# Altium PCB AIWAC_A33_RGB5寸LCD驱动板_20190109.PcbDoc (part 12 of 14)
Units mm, origin at the board's own origin, x right, y up, seen from the top; angles counter-clockwise.
Board outline 96.45 x 44.9 mm, 2 copper layers (Top Layer, Bottom Layer); 32 components, 42 nets, 22766 pads, 749 vias.
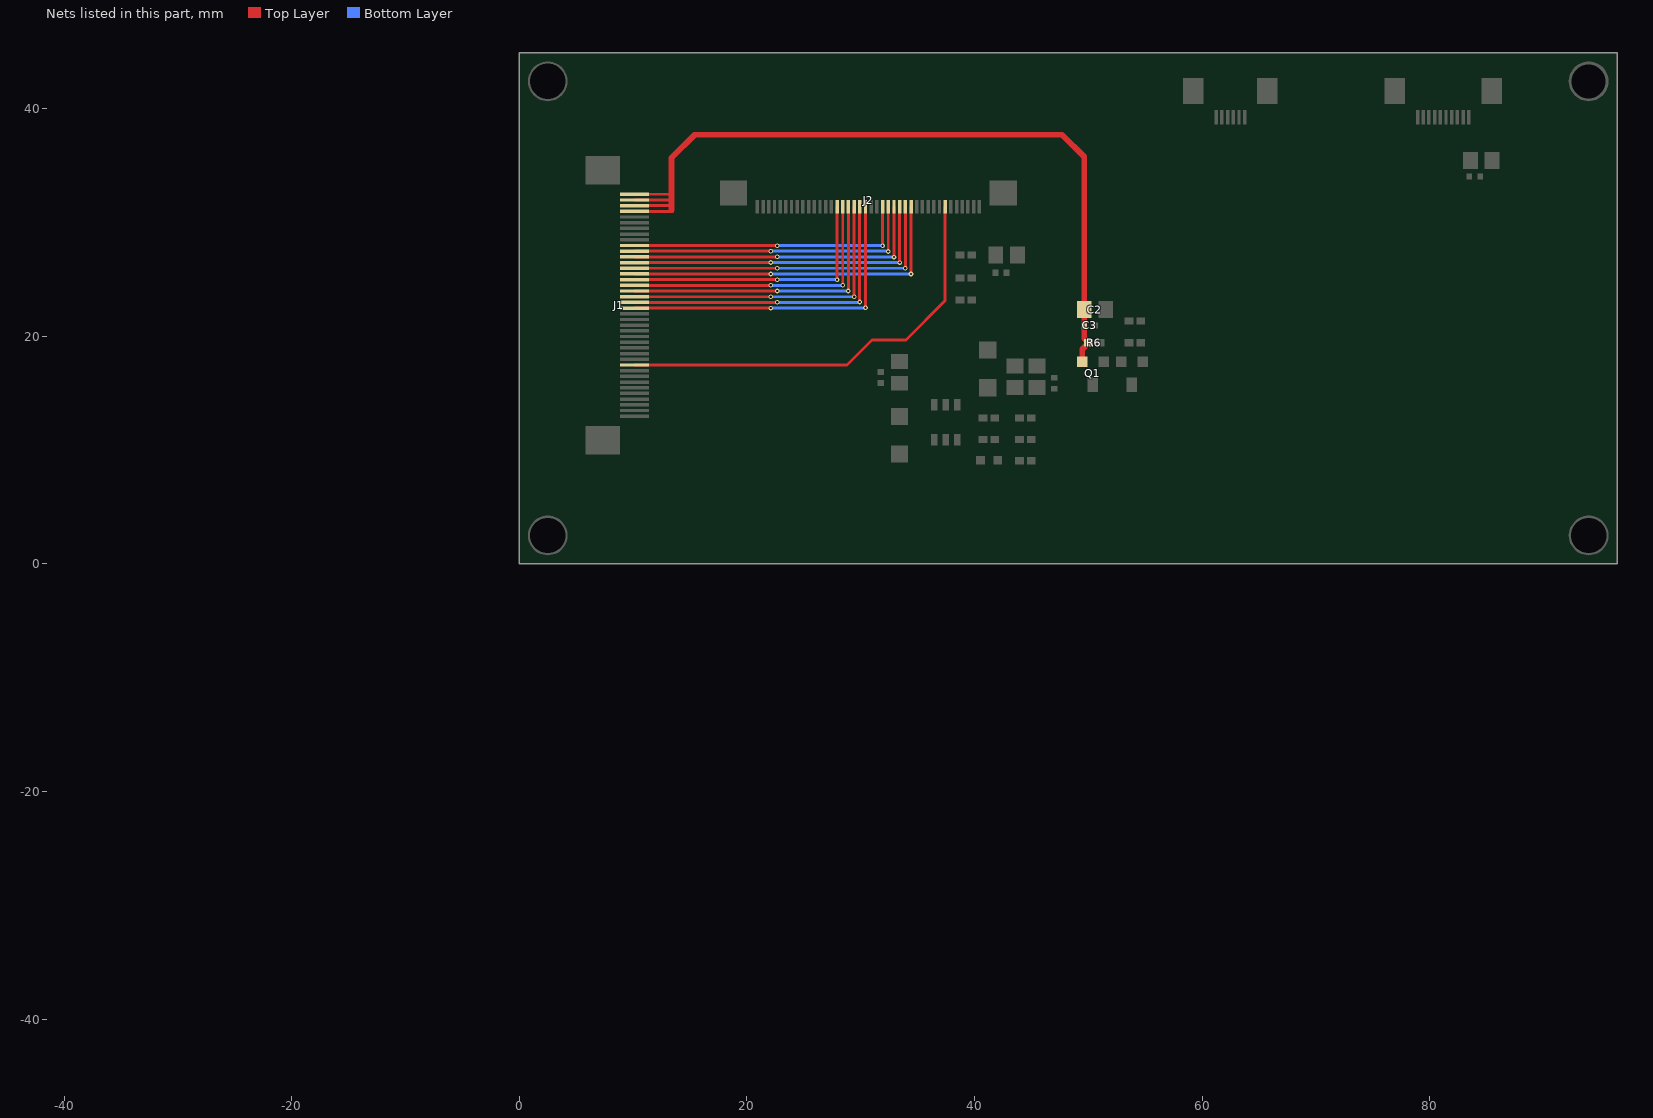
[diagram p12: the nets of this part, all layers, seen from the top]

## Free pads (board coordinates) (continued)
  round 0.001 on Mech2: 1(-39.049,-44.11) 1(-39.049,-44.11) 1(-39.049,-44.11) 1(-39.049,-44.108) 1(-39.049,-44.108) 1(-39.049,-44.108) 1(-39.049,-44.108) 1(-39.049,-44.108) 1(-39.049,-44.108) 1(-39.049,-44.106) 1(-39.049,-44.106) 1(-39.049,-44.106) 1(-39.049,-44.106) 1(-39.049,-44.106) 1(-39.049,-44.106) 1(-39.049,-44.104) 1(-39.049,-44.104) 1(-39.049,-44.104) 1(-39.048,-44.132) 1(-39.048,-44.132) 1(-39.048,-44.132) 1(-39.048,-44.126) 1(-39.048,-44.126) 1(-39.048,-44.126) 1(-39.046,-44.141) 1(-39.046,-44.141) 1(-39.046,-44.141) 1(-39.046,-44.139) 1(-39.046,-44.139) 1(-39.046,-44.139) 1(-39.046,-44.139) 1(-39.046,-44.139) 1(-39.046,-44.139) 1(-39.046,-44.139) 1(-39.046,-44.139) 1(-39.046,-44.139) 1(-39.045,-44.102) 1(-39.045,-44.102) 1(-39.045,-44.102) 1(-39.044,-44.111) 1(-39.044,-44.111) 1(-39.044,-44.111) 1(-39.044,-44.102) 1(-39.044,-44.102) 1(-39.044,-44.102) 1(-39.044,-44.122) 1(-39.044,-44.122) 1(-39.044,-44.122) 1(-39.044,-44.119) 1(-39.044,-44.119) 1(-39.044,-44.119) 1(-39.044,-44.116) 1(-39.044,-44.116) 1(-39.044,-44.116) 1(-39.044,-44.114) 1(-39.044,-44.114) 1(-39.044,-44.114) 1(-39.044,-44.111) 1(-39.044,-44.111) 1(-39.044,-44.111) 1(-39.044,-44.111) 1(-39.044,-44.111) 1(-39.044,-44.111) 1(-39.043,-44.112) 1(-39.043,-44.112) 1(-39.043,-44.112) 1(-39.043,-44.097) 1(-39.043,-44.097) 1(-39.043,-44.097) 1(-39.043,-44.102) 1(-39.043,-44.102) 1(-39.043,-44.102) 1(-39.043,-44.111) 1(-39.043,-44.111) 1(-39.043,-44.111) 1(-39.042,-44.124) 1(-39.042,-44.124) 1(-39.042,-44.124) 1(-39.042,-44.124) 1(-39.042,-44.124) 1(-39.042,-44.124) 1(-39.042,-44.124) 1(-39.042,-44.124) 1(-39.042,-44.124) 1(-39.042,-44.102) 1(-39.042,-44.102) 1(-39.042,-44.102) 1(-39.042,-44.102) 1(-39.042,-44.102) 1(-39.042,-44.102) 1(-39.042,-44.095) 1(-39.042,-44.095) 1(-39.042,-44.095) 1(-39.042,-44.096) 1(-39.042,-44.096) 1(-39.042,-44.096) 1(-39.042,-44.096) 1(-39.042,-44.096) 1(-39.042,-44.096) 1(-39.042,-44.101) 1(-39.042,-44.101) 1(-39.042,-44.101) 1(-39.042,-44.101) 1(-39.042,-44.101) 1(-39.042,-44.101) 1(-39.042,-44.125) 1(-39.042,-44.125) 1(-39.042,-44.125) 1(-39.041,-44.14) 1(-39.041,-44.14) 1(-39.041,-44.14) 1(-39.041,-44.097) 1(-39.041,-44.097) 1(-39.041,-44.097) 1(-39.041,-44.097) 1(-39.041,-44.097) 1(-39.041,-44.097) 1(-39.041,-44.133) 1(-39.041,-44.133) 1(-39.041,-44.133) 1(-39.041,-44.132) 1(-39.041,-44.132) 1(-39.041,-44.132) 1(-39.041,-44.104) 1(-39.041,-44.104) 1(-39.041,-44.104) 1(-39.041,-44.102) 1(-39.041,-44.102) 1(-39.041,-44.102) 1(-39.041,-44.101) 1(-39.041,-44.101) 1(-39.041,-44.101) 1(-39.041,-44.101) 1(-39.041,-44.101) 1(-39.041,-44.101) 1(-39.041,-44.098) 1(-39.041,-44.098) 1(-39.041,-44.098) 1(-39.041,-44.097) 1(-39.041,-44.097) 1(-39.041,-44.097) 1(-39.041,-44.097) 1(-39.041,-44.097) 1(-39.041,-44.097) 1(-39.041,-44.097) 1(-39.041,-44.097) 1(-39.041,-44.097) 1(-39.041,-44.097) 1(-39.041,-44.097) 1(-39.041,-44.097) 1(-39.04,-44.096) 1(-39.04,-44.096) 1(-39.04,-44.096) 1(-39.04,-44.14) 1(-39.04,-44.14) 1(-39.04,-44.14) 1(-39.04,-44.105) 1(-39.04,-44.105) 1(-39.04,-44.105) 1(-39.04,-44.103) 1(-39.04,-44.103) 1(-39.04,-44.103) 1(-39.04,-44.103) 1(-39.04,-44.103) 1(-39.04,-44.103) 1(-39.04,-44.133) 1(-39.04,-44.133) 1(-39.04,-44.133) 1(-39.04,-44.132) 1(-39.04,-44.132) 1(-39.04,-44.132) 1(-39.04,-44.104) 1(-39.04,-44.104) 1(-39.04,-44.104) 1(-39.04,-44.103) 1(-39.04,-44.103) 1(-39.04,-44.103) 1(-39.04,-44.102) 1(-39.04,-44.102) 1(-39.04,-44.102) 1(-39.04,-44.099) 1(-39.04,-44.099) 1(-39.04,-44.099) 1(-39.04,-44.099) 1(-39.04,-44.099) 1(-39.04,-44.099) 1(-39.04,-44.098) 1(-39.04,-44.098) 1(-39.04,-44.098) 1(-39.04,-44.097) 1(-39.04,-44.097) 1(-39.04,-44.097) 1(-39.04,-44.097) 1(-39.04,-44.097) 1(-39.04,-44.097) 1(-39.04,-44.097) 1(-39.04,-44.097) 1(-39.04,-44.097) 1(-39.039,-44.096) 1(-39.039,-44.096) 1(-39.039,-44.096) 1(-39.039,-44.118) 1(-39.039,-44.118) 1(-39.039,-44.118) 1(-39.039,-44.116) 1(-39.039,-44.116) 1(-39.039,-44.116) 1(-39.039,-44.125) 1(-39.039,-44.125) 1(-39.039,-44.125) 1(-39.039,-44.125) 1(-39.039,-44.125) 1(-39.039,-44.125) 1(-39.039,-44.125) 1(-39.039,-44.125) 1(-39.039,-44.125) 1(-39.039,-44.114) 1(-39.039,-44.114) 1(-39.039,-44.114) 1(-39.038,-44.112) 1(-39.038,-44.112) 1(-39.038,-44.112) 1(-39.038,-44.112) 1(-39.038,-44.112) 1(-39.038,-44.112) 1(-39.038,-44.14) 1(-39.038,-44.14) 1(-39.038,-44.14) 1(-39.038,-44.112) 1(-39.038,-44.112) 1(-39.038,-44.112) 1(-39.038,-44.104) 1(-39.038,-44.104) 1(-39.038,-44.104) 1(-39.038,-44.104) 1(-39.038,-44.104) 1(-39.038,-44.104) 1(-39.038,-44.104) 1(-39.038,-44.104) 1(-39.038,-44.104) 1(-39.038,-44.103) 1(-39.038,-44.103) 1(-39.038,-44.103) 1(-39.038,-44.102) 1(-39.038,-44.102) 1(-39.038,-44.102) 1(-39.038,-44.098) 1(-39.038,-44.098) 1(-39.038,-44.098) 1(-39.038,-44.097) 1(-39.038,-44.097) 1(-39.038,-44.097) 1(-39.038,-44.097) 1(-39.038,-44.097) 1(-39.038,-44.097) 1(-39.038,-44.096) 1(-39.038,-44.096) 1(-39.038,-44.096) 1(-39.038,-44.096) 1(-39.038,-44.096) 1(-39.038,-44.096) 1(-39.038,-44.113) 1(-39.038,-44.113) 1(-39.038,-44.113) 1(-39.038,-44.118) 1(-39.038,-44.118) 1(-39.038,-44.118) 1(-39.038,-44.118) 1(-39.038,-44.118) 1(-39.038,-44.118) 1(-39.038,-44.105) 1(-39.038,-44.105) 1(-39.038,-44.105) 1(-39.038,-44.105) 1(-39.038,-44.105) 1(-39.038,-44.105) 1(-39.038,-44.105) 1(-39.038,-44.105) 1(-39.038,-44.105) 1(-39.038,-44.109) 1(-39.038,-44.109) 1(-39.038,-44.109) 1(-39.038,-44.109) 1(-39.038,-44.109) 1(-39.038,-44.109) 1(-39.038,-44.109) 1(-39.038,-44.109) 1(-39.038,-44.109) 1(-39.038,-44.125) 1(-39.038,-44.125) 1(-39.038,-44.125) 1(-39.038,-44.125) 1(-39.038,-44.125) 1(-39.038,-44.125) 1(-39.038,-44.14) 1(-39.038,-44.14) 1(-39.038,-44.14) 1(-39.038,-44.14) 1(-39.038,-44.14) 1(-39.038,-44.14) 1(-39.038,-44.114) 1(-39.038,-44.114) 1(-39.038,-44.114) 1(-39.038,-44.116) 1(-39.038,-44.116) 1(-39.038,-44.116) 1(-39.038,-44.116) 1(-39.038,-44.116) 1(-39.038,-44.116) 1(-39.038,-44.096) 1(-39.038,-44.096) 1(-39.038,-44.096) 1(-39.037,-44.113) 1(-39.037,-44.113) 1(-39.037,-44.113) 1(-39.037,-44.14) 1(-39.037,-44.14) 1(-39.037,-44.14) 1(-39.037,-44.104) 1(-39.037,-44.104) 1(-39.037,-44.104) 1(-39.037,-44.103) 1(-39.037,-44.103) 1(-39.037,-44.103) 1(-39.037,-44.103) 1(-39.037,-44.103) 1(-39.037,-44.103) 1(-39.037,-44.102) 1(-39.037,-44.102) 1(-39.037,-44.102) 1(-39.037,-44.101) 1(-39.037,-44.101) 1(-39.037,-44.101) 1(-39.037,-44.101) 1(-39.037,-44.101) 1(-39.037,-44.101) 1(-39.037,-44.098) 1(-39.037,-44.098) 1(-39.037,-44.098) 1(-39.037,-44.097) 1(-39.037,-44.097) 1(-39.037,-44.097) 1(-39.037,-44.097) 1(-39.037,-44.097) 1(-39.037,-44.097) 1(-39.037,-44.096) 1(-39.037,-44.096) 1(-39.037,-44.096) 1(-39.037,-44.096) 1(-39.037,-44.096) 1(-39.037,-44.096) 1(-39.037,-44.104) 1(-39.037,-44.104) 1(-39.037,-44.104) 1(-39.037,-44.104) 1(-39.037,-44.104) 1(-39.037,-44.104) 1(-39.037,-44.118) 1(-39.037,-44.118) 1(-39.037,-44.118) 1(-39.037,-44.118) 1(-39.037,-44.118) 1(-39.037,-44.118) 1(-39.037,-44.117) 1(-39.037,-44.117) 1(-39.037,-44.117) 1(-39.037,-44.118) 1(-39.037,-44.118) 1(-39.037,-44.118) 1(-39.037,-44.118) 1(-39.037,-44.118) 1(-39.037,-44.118) 1(-39.037,-44.109) 1(-39.037,-44.109) 1(-39.037,-44.109) 1(-39.037,-44.109) 1(-39.037,-44.109) 1(-39.037,-44.109) 1(-39.036,-44.125) 1(-39.036,-44.125) 1(-39.036,-44.125) 1(-39.036,-44.109) 1(-39.036,-44.109) 1(-39.036,-44.109) 1(-39.036,-44.109) 1(-39.036,-44.109) 1(-39.036,-44.109) 1(-39.036,-44.14) 1(-39.036,-44.14) 1(-39.036,-44.14) 1(-39.035,-44.109) 1(-39.035,-44.109) 1(-39.035,-44.109) 1(-39.035,-44.109) 1(-39.035,-44.109) 1(-39.035,-44.109) 1(-39.035,-44.104) 1(-39.035,-44.104) 1(-39.035,-44.104) 1(-39.035,-44.104) 1(-39.035,-44.104) 1(-39.035,-44.104) 1(-39.035,-44.101) 1(-39.035,-44.101) 1(-39.035,-44.101) 1(-39.035,-44.101) 1(-39.035,-44.101) 1(-39.035,-44.101) 1(-39.035,-44.118) 1(-39.035,-44.118) 1(-39.035,-44.118) 1(-39.035,-44.118) 1(-39.035,-44.118) 1(-39.035,-44.118) 1(-39.035,-44.117) 1(-39.035,-44.117) 1(-39.035,-44.117) 1(-39.035,-44.106) 1(-39.035,-44.106) 1(-39.035,-44.106) 1(-39.035,-44.106) 1(-39.035,-44.106) 1(-39.035,-44.106) 1(-39.035,-44.105) 1(-39.035,-44.105) 1(-39.035,-44.105) 1(-39.035,-44.105) 1(-39.035,-44.105) 1(-39.035,-44.105) 1(-39.035,-44.104) 1(-39.035,-44.104) 1(-39.035,-44.104) 1(-39.035,-44.104) 1(-39.035,-44.104) 1(-39.035,-44.104) 1(-39.035,-44.106) 1(-39.035,-44.106) 1(-39.035,-44.106) 1(-39.035,-44.117) 1(-39.035,-44.117) 1(-39.035,-44.117) 1(-39.035,-44.117) 1(-39.035,-44.117) 1(-39.035,-44.117) 1(-39.035,-44.14) 1(-39.035,-44.14) 1(-39.035,-44.14) 1(-39.034,-44.106) 1(-39.034,-44.106) 1(-39.034,-44.106) 1(-39.034,-44.118) 1(-39.034,-44.118) 1(-39.034,-44.118) 1(-39.034,-44.117) 1(-39.034,-44.117) 1(-39.034,-44.117) 1(-39.034,-44.106) 1(-39.034,-44.106) 1(-39.034,-44.106) 1(-39.034,-44.106) 1(-39.034,-44.106) 1(-39.034,-44.106) 1(-39.034,-44.105) 1(-39.034,-44.105) 1(-39.034,-44.105) 1(-39.033,-44.112) 1(-39.033,-44.112) 1(-39.033,-44.112) 1(-39.033,-44.112) 1(-39.033,-44.112) 1(-39.033,-44.112) 1(-39.032,-44.117) 1(-39.032,-44.117) 1(-39.032,-44.117) 1(-39.032,-44.116) 1(-39.032,-44.116) 1(-39.032,-44.116) 1(-39.031,-44.148) 1(-39.031,-44.148) 1(-39.031,-44.148) 1(-39.031,-44.143) 1(-39.031,-44.143) 1(-39.031,-44.143) 1(-39.028,-44.135) 1(-39.028,-44.135) 1(-39.028,-44.135) 1(-39.028,-44.138) 1(-39.028,-44.138) 1(-39.028,-44.138) 1(-39.028,-44.137) 1(-39.028,-44.137) 1(-39.028,-44.137) 1(-39.028,-44.133) 1(-39.028,-44.133) 1(-39.028,-44.133) 1(-39.028,-44.132) 1(-39.028,-44.132) 1(-39.028,-44.132) 1(-39.028,-44.112) 1(-39.028,-44.112) 1(-39.028,-44.112) 1(-39.028,-44.112) 1(-39.028,-44.112) 1(-39.028,-44.112) 1(-39.027,-44.14) 1(-39.027,-44.14) 1(-39.027,-44.14) 1(-39.027,-44.14) 1(-39.027,-44.14) 1(-39.027,-44.14) 1(-39.027,-44.14) 1(-39.027,-44.14) 1(-39.027,-44.14) 1(-39.027,-44.14) 1(-39.027,-44.14) 1(-39.027,-44.14) 1(-39.027,-44.135) 1(-39.027,-44.135) 1(-39.027,-44.135) 1(-39.027,-44.135) 1(-39.027,-44.135) 1(-39.027,-44.135) 1(-39.027,-44.135) 1(-39.027,-44.135) 1(-39.027,-44.135) 1(-39.027,-44.135) 1(-39.027,-44.135) 1(-39.027,-44.135) 1(-39.027,-44.134) 1(-39.027,-44.134) 1(-39.027,-44.134) 1(-39.025,-44.147) 1(-39.025,-44.147) 1(-39.025,-44.147) 1(-39.025,-44.147) 1(-39.025,-44.147) 1(-39.025,-44.147) 1(-39.025,-44.146) 1(-39.025,-44.146) 1(-39.025,-44.146) 1(-39.025,-44.148) 1(-39.025,-44.148) 1(-39.025,-44.148) 1(-39.025,-44.148) 1(-39.025,-44.148) 1(-39.025,-44.148) 1(-39.025,-44.109) 1(-39.025,-44.109) 1(-39.025,-44.109) 1(-39.025,-44.109) 1(-39.025,-44.109) 1(-39.025,-44.109) 1(-39.025,-44.109) 1(-39.025,-44.109) 1(-39.025,-44.109) 1(-39.024,-44.148) 1(-39.024,-44.148) 1(-39.024,-44.148) 1(-39.024,-44.148) 1(-39.024,-44.148) 1(-39.024,-44.148) 1(-39.024,-44.148) 1(-39.024,-44.148) 1(-39.024,-44.148) 1(-39.023,-44.148) 1(-39.023,-44.148) 1(-39.023,-44.148) 1(-39.023,-44.148) 1(-39.023,-44.148) 1(-39.023,-44.148) 1(-39.023,-44.146) 1(-39.023,-44.146) 1(-39.023,-44.146) 1(-39.022,-44.148) 1(-39.022,-44.148) 1(-39.022,-44.148) 1(-39.022,-44.148) 1(-39.022,-44.148) 1(-39.022,-44.148) 1(-39.022,-44.148) 1(-39.022,-44.148) 1(-39.022,-44.148) 1(-39.021,-44.148) 1(-39.021,-44.148) 1(-39.021,-44.148) 1(-39.021,-44.148) 1(-39.021,-44.148) 1(-39.021,-44.148) 1(-39.021,-44.146) 1(-39.021,-44.146) 1(-39.021,-44.146) 1(-39.02,-44.148) 1(-39.02,-44.148) 1(-39.02,-44.148) 1(-39.02,-44.148) 1(-39.02,-44.148) 1(-39.02,-44.148) 1(-39.019,-44.147) 1(-39.019,-44.147) 1(-39.019,-44.147) 1(-39.019,-44.147) 1(-39.019,-44.147) 1(-39.019,-44.147) 1(-39.019,-44.146) 1(-39.019,-44.146) 1(-39.019,-44.146) 1(-39.019,-44.132) 1(-39.019,-44.132) 1(-39.019,-44.132) 1(-39.019,-44.132) 1(-39.019,-44.132) 1(-39.019,-44.132) 1(-39.019,-44.132) 1(-39.019,-44.132) 1(-39.019,-44.132) 1(-39.019,-44.132) 1(-39.019,-44.132) 1(-39.019,-44.132) 1(-39.016,-44.143) 1(-39.016,-44.143) 1(-39.016,-44.143) 1(-39.015,-44.148) 1(-39.015,-44.148) 1(-39.015,-44.148) 1(-39.015,-44.148) 1(-39.015,-44.148) 1(-39.015,-44.148) 1(-39.015,-44.148) 1(-39.015,-44.148) 1(-39.015,-44.148) 1(-39.015,-44.145) 1(-39.015,-44.145) 1(-39.015,-44.145) 1(-39.015,-44.143) 1(-39.015,-44.143) 1(-39.015,-44.143) 1(-39.015,-44.148) 1(-39.015,-44.148) 1(-39.015,-44.148) 1(-39.015,-44.148) 1(-39.015,-44.148) 1(-39.015,-44.148) 1(-39.015,-44.148) 1(-39.015,-44.148) 1(-39.015,-44.148) 1(-39.014,-44.14) 1(-39.014,-44.14) 1(-39.014,-44.14) 1(-39.014,-44.139) 1(-39.014,-44.139) 1(-39.014,-44.139) 1(-39.014,-44.139) 1(-39.014,-44.139) 1(-39.014,-44.139) 1(-39.014,-44.136) 1(-39.014,-44.136) 1(-39.014,-44.136) 1(-39.014,-44.136) 1(-39.014,-44.136) 1(-39.014,-44.136) 1(-39.014,-44.135) 1(-39.014,-44.135) 1(-39.014,-44.135) 1(-39.013,-44.139) 1(-39.013,-44.139) 1(-39.013,-44.139) 1(-39.013,-44.139) 1(-39.013,-44.139) 1(-39.013,-44.139) 1(-39.013,-44.136) 1(-39.013,-44.136) 1(-39.013,-44.136) 1(-39.013,-44.136) 1(-39.013,-44.136) 1(-39.013,-44.136) 1(-39.013,-44.139) 1(-39.013,-44.139) 1(-39.013,-44.139) 1(-39.013,-44.136) 1(-39.013,-44.136) 1(-39.013,-44.136) 1(-39.013,-44.136) 1(-39.013,-44.136) 1(-39.013,-44.136) 1(-39.013,-44.135) 1(-39.013,-44.135) 1(-39.013,-44.135) 1(-39.011,-44.144) 1(-39.011,-44.144) 1(-39.011,-44.144) 1(-39.01,-44.146) 1(-39.01,-44.146) 1(-39.01,-44.146) 1(-39.01,-44.145) 1(-39.01,-44.145) 1(-39.01,-44.145) 1(-39.01,-44.145) 1(-39.01,-44.145) 1(-39.01,-44.145) 1(-39.009,-44.148) 1(-39.009,-44.148) 1(-39.009,-44.148) 1(-39.009,-44.148) 1(-39.009,-44.148) 1(-39.009,-44.148) 1(-39.008,-44.147) 1(-39.008,-44.147) 1(-39.008,-44.147) 1(-39.008,-44.147) 1(-39.008,-44.147) 1(-39.008,-44.147) 1(-39.008,-44.146) 1(-39.008,-44.146) 1(-39.008,-44.146) 1(-39.004,-44.128) 1(-39.004,-44.128) 1(-39.004,-44.128) 1(-39.004,-44.128) 1(-39.004,-44.128) 1(-39.004,-44.128) 1(-39.004,-44.125) 1(-39.004,-44.125) 1(-39.004,-44.125) 1(-39.004,-44.137) 1(-39.004,-44.137) 1(-39.004,-44.137) 1(-39.004,-44.134) 1(-39.004,-44.134) 1(-39.004,-44.134) 1(-39.004,-44.134) 1(-39.004,-44.134) 1(-39.004,-44.134) 1(-39.004,-44.134) 1(-39.004,-44.134) 1(-39.004,-44.134) 1(-39.003,-44.128) 1(-39.003,-44.128) 1(-39.003,-44.128) 1(-39.003,-44.128) 1(-39.003,-44.128) 1(-39.003,-44.128) 1(-39.002,-44.128) 1(-39.002,-44.128) 1(-39.002,-44.128) 1(-39.002,-44.128) 1(-39.002,-44.128) 1(-39.002,-44.128) 1(-39,-44.133) 1(-39,-44.133) 1(-39,-44.133) 1(-39,-44.137) 1(-39,-44.137) 1(-39,-44.137) 1(-39,-44.137) 1(-39,-44.137) 1(-39,-44.137) 1(-39,-44.14) 1(-39,-44.14) 1(-39,-44.14) 1(-39,-44.139) 1(-39,-44.139) 1(-39,-44.139) 1(-39,-44.139) 1(-39,-44.139) 1(-39,-44.139) 1(-39,-44.139) 1(-39,-44.139) 1(-39,-44.139) 1(-39,-44.139) 1(-39,-44.139) 1(-39,-44.139) 1(-39,-44.137) 1(-39,-44.137) 1(-39,-44.137) 1(-39,-44.137) 1(-39,-44.137) 1(-39,-44.137) 1(-39,-44.137) 1(-39,-44.137) 1(-39,-44.137) 1(-39,-44.137) 1(-39,-44.137) 1(-39,-44.137) 1(-39,-44.134) 1(-39,-44.134) 1(-39,-44.134) 1(-39,-44.134) 1(-39,-44.134) 1(-39,-44.134) 1(-39,-44.134) 1(-39,-44.134) 1(-39,-44.134) 1(-39,-44.134) 1(-39,-44.134) 1(-39,-44.134) 1(-39,-44.133) 1(-39,-44.133) 1(-39,-44.133) 1(-39,-44.133) 1(-39,-44.133) 1(-39,-44.133) 1(-38.999,-44.104) 1(-38.999,-44.104) 1(-38.999,-44.104) 1(-38.998,-44.127) 1(-38.998,-44.127) 1(-38.998,-44.127) 1(-38.998,-44.127) 1(-38.998,-44.127) 1(-38.998,-44.127) 1(-38.998,-44.127) 1(-38.998,-44.127) 1(-38.998,-44.127) 1(-38.997,-44.104) 1(-38.997,-44.104) 1(-38.997,-44.104) 1(-38.997,-44.128) 1(-38.997,-44.128) 1(-38.997,-44.128) 1(-38.997,-44.128) 1(-38.997,-44.128) 1(-38.997,-44.128) 1(-38.997,-44.131) 1(-38.997,-44.131) 1(-38.997,-44.131) 1(-38.997,-44.131) 1(-38.997,-44.131) 1(-38.997,-44.131) 1(-38.997,-44.128) 1(-38.997,-44.128) 1(-38.997,-44.128) 1(-38.997,-44.128) 1(-38.997,-44.128) 1(-38.997,-44.128) 1(-38.996,-44.132) 1(-38.996,-44.132) 1(-38.996,-44.132) 1(-38.996,-44.132) 1(-38.996,-44.132) 1(-38.996,-44.132) 1(-38.996,-44.131) 1(-38.996,-44.131) 1(-38.996,-44.131) 1(-38.996,-44.131) 1(-38.996,-44.131) 1(-38.996,-44.131) 1(-38.996,-44.145) 1(-38.996,-44.145) 1(-38.996,-44.145) 1(-38.996,-44.145) 1(-38.996,-44.145) 1(-38.996,-44.145) 1(-38.996,-44.143) 1(-38.996,-44.143) 1(-38.996,-44.143) 1(-38.996,-44.146) 1(-38.996,-44.146) 1(-38.996,-44.146) 1(-38.996,-44.146) 1(-38.996,-44.146) 1(-38.996,-44.146) 1(-38.996,-44.127) 1(-38.996,-44.127) 1(-38.996,-44.127) 1(-38.995,-44.146) 1(-38.995,-44.146) 1(-38.995,-44.146) 1(-38.995,-44.132) 1(-38.995,-44.132) 1(-38.995,-44.132) 1(-38.995,-44.132) 1(-38.995,-44.132) 1(-38.995,-44.132) 1(-38.995,-44.146) 1(-38.995,-44.146) 1(-38.995,-44.146) 1(-38.995,-44.144) 1(-38.995,-44.144) 1(-38.995,-44.144) 1(-38.994,-44.132) 1(-38.994,-44.132) 1(-38.994,-44.132) 1(-38.994,-44.132) 1(-38.994,-44.132) 1(-38.994,-44.132) 1(-38.993,-44.146) 1(-38.993,-44.146) 1(-38.993,-44.146) 1(-38.993,-44.144) 1(-38.993,-44.144) 1(-38.993,-44.144) 1(-38.993,-44.144) 1(-38.993,-44.144) 1(-38.993,-44.144) 1(-38.993,-44.144) 1(-38.993,-44.144) 1(-38.993,-44.144) 1(-38.993,-44.144) 1(-38.993,-44.144) 1(-38.993,-44.144) 1(-38.993,-44.142) 1(-38.993,-44.142) 1(-38.993,-44.142) 1(-38.993,-44.142) 1(-38.993,-44.142) 1(-38.993,-44.142) 1(-38.993,-44.133) 1(-38.993,-44.133) 1(-38.993,-44.133) 1(-38.993,-44.133) 1(-38.993,-44.133) 1(-38.993,-44.133) 1(-38.993,-44.127) 1(-38.993,-44.127) 1(-38.993,-44.127) 1(-38.991,-44.127) 1(-38.991,-44.127) 1(-38.991,-44.127) 1(-38.991,-44.127) 1(-38.991,-44.127) 1(-38.991,-44.127) 1(-38.99,-44.125) 1(-38.99,-44.125) 1(-38.99,-44.125) 1(-38.99,-44.125) 1(-38.99,-44.125) 1(-38.99,-44.125) 1(-38.99,-44.13) 1(-38.99,-44.13) 1(-38.99,-44.13) 1(-38.99,-44.128) 1(-38.99,-44.128) 1(-38.99,-44.128) 1(-38.99,-44.128) 1(-38.99,-44.128) 1(-38.99,-44.128) 1(-38.99,-44.127) 1(-38.99,-44.127) 1(-38.99,-44.127) 1(-38.99,-44.127) 1(-38.99,-44.127) 1(-38.99,-44.127) 1(-38.99,-44.128) 1(-38.99,-44.128) 1(-38.99,-44.128) 1(-38.99,-44.127) 1(-38.99,-44.127) 1(-38.99,-44.127) 1(-38.989,-44.125) 1(-38.989,-44.125) 1(-38.989,-44.125) 1(-38.989,-44.125) 1(-38.989,-44.125) 1(-38.989,-44.125) 1(-38.989,-44.123) 1(-38.989,-44.123) 1(-38.989,-44.123) 1(-38.989,-44.122) 1(-38.989,-44.122) 1(-38.989,-44.122) 1(-38.989,-44.13) 1(-38.989,-44.13) 1(-38.989,-44.13) 1(-38.989,-44.13) 1(-38.989,-44.13) 1(-38.989,-44.13) 1(-38.989,-44.13) 1(-38.989,-44.13) 1(-38.989,-44.13) 1(-38.988,-44.129) 1(-38.988,-44.129) 1(-38.988,-44.129) 1(-38.988,-44.129) 1(-38.988,-44.129) 1(-38.988,-44.129) 1(-38.988,-44.128) 1(-38.988,-44.128) 1(-38.988,-44.128) 1(-38.988,-44.146) 1(-38.988,-44.146) 1(-38.988,-44.146) 1(-38.988,-44.125) 1(-38.988,-44.125) 1(-38.988,-44.125) 1(-38.988,-44.125) 1(-38.988,-44.125) 1(-38.988,-44.125) 1(-38.988,-44.123) 1(-38.988,-44.123) 1(-38.988,-44.123) 1(-38.988,-44.122) 1(-38.988,-44.122) 1(-38.988,-44.122) 1(-38.988,-44.132) 1(-38.988,-44.132) 1(-38.988,-44.132) 1(-38.988,-44.132) 1(-38.988,-44.132) 1(-38.988,-44.132) 1(-38.988,-44.13) 1(-38.988,-44.13) 1(-38.988,-44.13) 1(-38.988,-44.132) 1(-38.988,-44.132) 1(-38.988,-44.132) 1(-38.988,-44.132) 1(-38.988,-44.132) 1(-38.988,-44.132) 1(-38.987,-44.146) 1(-38.987,-44.146) 1(-38.987,-44.146) 1(-38.987,-44.146) 1(-38.987,-44.146) 1(-38.987,-44.146) 1(-38.987,-44.128) 1(-38.987,-44.128) 1(-38.987,-44.128) 1(-38.987,-44.128) 1(-38.987,-44.128) 1(-38.987,-44.128) 1(-38.987,-44.128) 1(-38.987,-44.128) 1(-38.987,-44.128) 1(-38.986,-44.132) 1(-38.986,-44.132) 1(-38.986,-44.132) 1(-38.986,-44.132) 1(-38.986,-44.132) 1(-38.986,-44.132) 1(-38.986,-44.132) 1(-38.986,-44.132) 1(-38.986,-44.132) 1(-38.986,-44.132) 1(-38.986,-44.132) 1(-38.986,-44.132) 1(-38.986,-44.13) 1(-38.986,-44.13) 1(-38.986,-44.13) 1(-38.986,-44.128) 1(-38.986,-44.128) 1(-38.986,-44.128) 1(-38.986,-44.128) 1(-38.986,-44.128) 1(-38.986,-44.128) 1(-38.986,-44.146) 1(-38.986,-44.146) 1(-38.986,-44.146) 1(-38.986,-44.146) 1(-38.986,-44.146) 1(-38.986,-44.146) 1(-38.985,-44.095) 1(-38.985,-44.095) 1(-38.985,-44.095) 1(-38.984,-44.128) 1(-38.984,-44.128) 1(-38.984,-44.128) 1(-38.984,-44.128) 1(-38.984,-44.128) 1(-38.984,-44.128) 1(-38.984,-44.146) 1(-38.984,-44.146) 1(-38.984,-44.146) 1(-38.983,-44.095) 1(-38.983,-44.095) 1(-38.983,-44.095) 1(-38.983,-44.147) 1(-38.983,-44.147) 1(-38.983,-44.147) 1(-38.983,-44.144) 1(-38.983,-44.144) 1(-38.983,-44.144) 1(-38.981,-44.14) 1(-38.981,-44.14) 1(-38.981,-44.14) 1(-38.981,-44.139) 1(-38.981,-44.139) 1(-38.981,-44.139) 1(-38.981,-44.139) 1(-38.981,-44.139) 1(-38.981,-44.139) 1(-38.981,-44.131) 1(-38.981,-44.131) 1(-38.981,-44.131) 1(-38.981,-44.131) 1(-38.981,-44.131) 1(-38.981,-44.131) 1(-38.98,-44.101) 1(-38.98,-44.101) 1(-38.98,-44.101) 1(-38.98,-44.101) 1(-38.98,-44.101) 1(-38.98,-44.101) 1(-38.98,-44.1) 1(-38.98,-44.1) 1(-38.98,-44.1) 1(-38.98,-44.101) 1(-38.98,-44.101) 1(-38.98,-44.101)
  round 0.001 on Mech10: 1(-39.048,-44.132) 1(-39.048,-44.132) 1(-39.048,-44.132) 1(-39.048,-44.126) 1(-39.048,-44.126) 1(-39.048,-44.126) 1(-39.044,-44.122) 1(-39.044,-44.122) 1(-39.044,-44.122) 1(-39.044,-44.119) 1(-39.044,-44.119) 1(-39.044,-44.119) 1(-39.044,-44.116) 1(-39.044,-44.116) 1(-39.044,-44.116) 1(-39.044,-44.114) 1(-39.044,-44.114) 1(-39.044,-44.114)
  round 0.002 on Mech14: 1(-39.048,-44.132) 1(-39.048,-44.132) 1(-39.048,-44.132) 1(-39.048,-44.131) 1(-39.048,-44.131) 1(-39.048,-44.131) 1(-39.048,-44.127) 1(-39.048,-44.127) 1(-39.048,-44.127) 1(-39.048,-44.126) 1(-39.048,-44.126) 1(-39.048,-44.126) 1(-39.045,-44.133) 1(-39.045,-44.133) 1(-39.045,-44.133) 1(-39.045,-44.132) 1(-39.045,-44.132) 1(-39.045,-44.132) 1(-39.045,-44.126) 1(-39.045,-44.126) 1(-39.045,-44.126) 1(-39.045,-44.125) 1(-39.045,-44.125) 1(-39.045,-44.125) 1(-39.044,-44.122) 1(-39.044,-44.122) 1(-39.044,-44.122) 1(-39.044,-44.119) 1(-39.044,-44.119) 1(-39.044,-44.119) 1(-39.044,-44.116) 1(-39.044,-44.116) 1(-39.044,-44.116) 1(-39.044,-44.114) 1(-39.044,-44.114) 1(-39.044,-44.114)
  round 0.002 on Mech15: 1(-39.048,-44.132) 1(-39.048,-44.132) 1(-39.048,-44.132) 1(-39.048,-44.131) 1(-39.048,-44.131) 1(-39.048,-44.131) 1(-39.048,-44.127) 1(-39.048,-44.127) 1(-39.048,-44.127) 1(-39.048,-44.126) 1(-39.048,-44.126) 1(-39.048,-44.126) 1(-39.045,-44.133) 1(-39.045,-44.133) 1(-39.045,-44.133) 1(-39.045,-44.132) 1(-39.045,-44.132) 1(-39.045,-44.132) 1(-39.045,-44.126) 1(-39.045,-44.126) 1(-39.045,-44.126) 1(-39.045,-44.125) 1(-39.045,-44.125) 1(-39.045,-44.125) 1(-39.044,-44.122) 1(-39.044,-44.122) 1(-39.044,-44.122) 1(-39.044,-44.119) 1(-39.044,-44.119) 1(-39.044,-44.119) 1(-39.044,-44.116) 1(-39.044,-44.116) 1(-39.044,-44.116) 1(-39.044,-44.114) 1(-39.044,-44.114) 1(-39.044,-44.114)
  round 0.005 on Mech3: 1(-39.047,-44.148) 1(-39.047,-44.148) 1(-39.047,-44.148) 1(-39.047,-44.096) 1(-39.047,-44.096) 1(-39.047,-44.096) 1(-38.976,-44.148) 1(-38.976,-44.148) 1(-38.976,-44.148) 1(-38.976,-44.096) 1(-38.976,-44.096) 1(-38.976,-44.096)
  round 0.005 on Mech2: 1(-39.047,-44.148) 1(-39.047,-44.148) 1(-39.047,-44.148) 1(-39.047,-44.096) 1(-39.047,-44.096) 1(-39.047,-44.096) 1(-38.976,-44.148) 1(-38.976,-44.148) 1(-38.976,-44.148) 1(-38.976,-44.096) 1(-38.976,-44.096) 1(-38.976,-44.096)
  round 0.005 on Mech10: 1(-39.047,-44.148) 1(-39.047,-44.148) 1(-39.047,-44.148) 1(-39.047,-44.096) 1(-39.047,-44.096) 1(-39.047,-44.096) 1(-38.976,-44.148) 1(-38.976,-44.148) 1(-38.976,-44.148) 1(-38.976,-44.096) 1(-38.976,-44.096) 1(-38.976,-44.096)
  round 0.005 on Mech14: 1(-39.047,-44.148) 1(-39.047,-44.148) 1(-39.047,-44.148) 1(-39.047,-44.096) 1(-39.047,-44.096) 1(-39.047,-44.096) 1(-38.976,-44.148) 1(-38.976,-44.148) 1(-38.976,-44.148) 1(-38.976,-44.096) 1(-38.976,-44.096) 1(-38.976,-44.096)
  round 0.005 on Mech15: 1(-39.047,-44.148) 1(-39.047,-44.148) 1(-39.047,-44.148) 1(-39.047,-44.096) 1(-39.047,-44.096) 1(-39.047,-44.096) 1(-38.976,-44.148) 1(-38.976,-44.148) 1(-38.976,-44.148) 1(-38.976,-44.096) 1(-38.976,-44.096) 1(-38.976,-44.096)
  round 0 on Mech5: 1(-39.047,-44.143) 1(-39.047,-44.143) 1(-39.047,-44.143) 1(-39.047,-44.143) 1(-39.047,-44.143) 1(-39.047,-44.143) 1(-39.047,-44.14) 1(-39.047,-44.14) 1(-39.047,-44.14) 1(-39.047,-44.14) 1(-39.047,-44.14) 1(-39.047,-44.14) 1(-39.046,-44.142) 1(-39.046,-44.142) 1(-39.046,-44.142) 1(-39.046,-44.142) 1(-39.046,-44.142) 1(-39.046,-44.142) 1(-39.046,-44.141) 1(-39.046,-44.141) 1(-39.046,-44.141) 1(-39.045,-44.142) 1(-39.045,-44.142) 1(-39.045,-44.142) 1(-39.045,-44.143) 1(-39.045,-44.143) 1(-39.045,-44.143) 1(-39.045,-44.143) 1(-39.045,-44.143) 1(-39.045,-44.143) 1(-39.045,-44.14) 1(-39.045,-44.14) 1(-39.045,-44.14) 1(-39.045,-44.14) 1(-39.045,-44.14) 1(-39.045,-44.14) 1(-39.043,-44.099) 1(-39.043,-44.099) 1(-39.043,-44.099) 1(-39.043,-44.11) 1(-39.043,-44.11) 1(-39.043,-44.11) 1(-39.043,-44.099) 1(-39.043,-44.099) 1(-39.043,-44.099) 1(-39.043,-44.098) 1(-39.043,-44.098) 1(-39.043,-44.098) 1(-39.043,-44.11) 1(-39.043,-44.11) 1(-39.043,-44.11) 1(-39.043,-44.109) 1(-39.043,-44.109) 1(-39.043,-44.109) 1(-39.042,-44.099) 1(-39.042,-44.099) 1(-39.042,-44.099) 1(-39.042,-44.11) 1(-39.042,-44.11) 1(-39.042,-44.11) 1(-39.04,-44.109) 1(-39.04,-44.109) 1(-39.04,-44.109) 1(-39.039,-44.109) 1(-39.039,-44.109) 1(-39.039,-44.109) 1(-39.039,-44.108) 1(-39.039,-44.108) 1(-39.039,-44.108) 1(-39.039,-44.109) 1(-39.039,-44.109) 1(-39.039,-44.109) 1(-39.038,-44.122) 1(-39.038,-44.122) 1(-39.038,-44.122) 1(-39.038,-44.122) 1(-39.038,-44.122) 1(-39.038,-44.122) 1(-39.038,-44.121) 1(-39.038,-44.121) 1(-39.038,-44.121) 1(-39.038,-44.121) 1(-39.038,-44.121) 1(-39.038,-44.121) 1(-39.038,-44.121) 1(-39.038,-44.121) 1(-39.038,-44.121) 1(-39.037,-44.122) 1(-39.037,-44.122) 1(-39.037,-44.122) 1(-39.037,-44.121) 1(-39.037,-44.121) 1(-39.037,-44.121) 1(-39.037,-44.121) 1(-39.037,-44.121) 1(-39.037,-44.121) 1(-39.036,-44.102) 1(-39.036,-44.102) 1(-39.036,-44.102) 1(-39.036,-44.122) 1(-39.036,-44.122) 1(-39.036,-44.122) 1(-39.036,-44.122) 1(-39.036,-44.122) 1(-39.036,-44.122) 1(-39.036,-44.121) 1(-39.036,-44.121) 1(-39.036,-44.121) 1(-39.036,-44.121) 1(-39.036,-44.121) 1(-39.036,-44.121) 1(-39.035,-44.103) 1(-39.035,-44.103) 1(-39.035,-44.103) 1(-39.035,-44.102) 1(-39.035,-44.102) 1(-39.035,-44.102) 1(-39.035,-44.102) 1(-39.035,-44.102) 1(-39.035,-44.102) 1(-38.995,-44.105) 1(-38.995,-44.105) 1(-38.995,-44.105) 1(-38.995,-44.105) 1(-38.995,-44.105) 1(-38.995,-44.105) 1(-38.995,-44.102) 1(-38.995,-44.102) 1(-38.995,-44.102) 1(-38.995,-44.102) 1(-38.995,-44.102) 1(-38.995,-44.102) 1(-38.995,-44.103) 1(-38.995,-44.103) 1(-38.995,-44.103) 1(-38.995,-44.104) 1(-38.995,-44.104) 1(-38.995,-44.104) 1(-38.995,-44.103) 1(-38.995,-44.103) 1(-38.995,-44.103) 1(-38.994,-44.103) 1(-38.994,-44.103) 1(-38.994,-44.103) 1(-38.994,-44.105) 1(-38.994,-44.105) 1(-38.994,-44.105) 1(-38.994,-44.105) 1(-38.994,-44.105) 1(-38.994,-44.105) 1(-38.994,-44.102) 1(-38.994,-44.102) 1(-38.994,-44.102) 1(-38.994,-44.102) 1(-38.994,-44.102) 1(-38.994,-44.102) 1(-38.994,-44.105) 1(-38.994,-44.105) 1(-38.994,-44.105) 1(-38.994,-44.105) 1(-38.994,-44.105) 1(-38.994,-44.105) 1(-38.994,-44.102) 1(-38.994,-44.102) 1(-38.994,-44.102) 1(-38.994,-44.102) 1(-38.994,-44.102) 1(-38.994,-44.102) 1(-38.993,-44.103) 1(-38.993,-44.103) 1(-38.993,-44.103) 1(-38.993,-44.104) 1(-38.993,-44.104) 1(-38.993,-44.104) 1(-38.993,-44.103) 1(-38.993,-44.103) 1(-38.993,-44.103) 1(-38.992,-44.103) 1(-38.992,-44.103) 1(-38.992,-44.103) 1(-38.992,-44.105) 1(-38.992,-44.105) 1(-38.992,-44.105) 1(-38.992,-44.105) 1(-38.992,-44.105) 1(-38.992,-44.105) 1(-38.992,-44.102) 1(-38.992,-44.102) 1(-38.992,-44.102) 1(-38.992,-44.102) 1(-38.992,-44.102) 1(-38.992,-44.102) 1(-38.978,-44.105) 1(-38.978,-44.105) 1(-38.978,-44.105) 1(-38.978,-44.105) 1(-38.978,-44.105) 1(-38.978,-44.105) 1(-38.978,-44.104) 1(-38.978,-44.104) 1(-38.978,-44.104) 1(-38.978,-44.104) 1(-38.978,-44.104) 1(-38.978,-44.104) 1(-38.978,-44.103) 1(-38.978,-44.103) 1(-38.978,-44.103) 1(-38.977,-44.103) 1(-38.977,-44.103) 1(-38.977,-44.103) 1(-38.977,-44.102) 1(-38.977,-44.102) 1(-38.977,-44.102) 1(-38.977,-44.105) 1(-38.977,-44.105) 1(-38.977,-44.105) 1(-38.977,-44.103) 1(-38.977,-44.103) 1(-38.977,-44.103) 1(-38.977,-44.105) 1(-38.977,-44.105) 1(-38.977,-44.105) 1(-38.977,-44.104) 1(-38.977,-44.104) 1(-38.977,-44.104) 1(-38.976,-44.105) 1(-38.976,-44.105) 1(-38.976,-44.105) 1(-38.975,-44.105) 1(-38.975,-44.105) 1(-38.975,-44.105) 1(-38.975,-44.105) 1(-38.975,-44.105) 1(-38.975,-44.105) 1(-38.975,-44.104) 1(-38.975,-44.104) 1(-38.975,-44.104) 1(-38.975,-44.104) 1(-38.975,-44.104) 1(-38.975,-44.104)
  round 0 on Mech4: 1(-39.046,-44.143) 1(-39.046,-44.143) 1(-39.046,-44.143) 1(-39.046,-44.143) 1(-39.046,-44.143) 1(-39.046,-44.143) 1(-39.046,-44.141) 1(-39.046,-44.141) 1(-39.046,-44.141) 1(-39.046,-44.141) 1(-39.046,-44.141) 1(-39.046,-44.141) 1(-39.045,-44.143) 1(-39.045,-44.143) 1(-39.045,-44.143) 1(-39.045,-44.143) 1(-39.045,-44.143) 1(-39.045,-44.143) 1(-39.045,-44.141) 1(-39.045,-44.141) 1(-39.045,-44.141) 1(-39.045,-44.141) 1(-39.045,-44.141) 1(-39.045,-44.141) 1(-39.044,-44.1) 1(-39.044,-44.1) 1(-39.044,-44.1) 1(-39.044,-44.1) 1(-39.044,-44.1) 1(-39.044,-44.1) 1(-39.044,-44.097) 1(-39.044,-44.097) 1(-39.044,-44.097) 1(-39.044,-44.097) 1(-39.044,-44.097) 1(-39.044,-44.097) 1(-39.043,-44.112) 1(-39.043,-44.112) 1(-39.043,-44.112) 1(-39.043,-44.112) 1(-39.043,-44.112) 1(-39.043,-44.112) 1(-39.043,-44.108) 1(-39.043,-44.108) 1(-39.043,-44.108) 1(-39.043,-44.108) 1(-39.043,-44.108) 1(-39.043,-44.108) 1(-39.042,-44.1) 1(-39.042,-44.1) 1(-39.042,-44.1) 1(-39.042,-44.1) 1(-39.042,-44.1) 1(-39.042,-44.1) 1(-39.042,-44.097) 1(-39.042,-44.097) 1(-39.042,-44.097) 1(-39.042,-44.097) 1(-39.042,-44.097) 1(-39.042,-44.097) 1(-39.042,-44.112) 1(-39.042,-44.112) 1(-39.042,-44.112) 1(-39.042,-44.112) 1(-39.042,-44.112) 1(-39.042,-44.112) 1(-39.042,-44.108) 1(-39.042,-44.108) 1(-39.042,-44.108) 1(-39.042,-44.108) 1(-39.042,-44.108) 1(-39.042,-44.108) 1(-39.041,-44.11) 1(-39.041,-44.11) 1(-39.041,-44.11) 1(-39.041,-44.11) 1(-39.041,-44.11) 1(-39.041,-44.11) 1(-39.041,-44.108) 1(-39.041,-44.108) 1(-39.041,-44.108) 1(-39.041,-44.108) 1(-39.041,-44.108) 1(-39.041,-44.108) 1(-39.038,-44.122) 1(-39.038,-44.122) 1(-39.038,-44.122) 1(-39.038,-44.122) 1(-39.038,-44.122) 1(-39.038,-44.122) 1(-39.038,-44.121) 1(-39.038,-44.121) 1(-39.038,-44.121) 1(-39.038,-44.121) 1(-39.038,-44.121) 1(-39.038,-44.121) 1(-39.038,-44.11) 1(-39.038,-44.11) 1(-39.038,-44.11) 1(-39.038,-44.11) 1(-39.038,-44.11) 1(-39.038,-44.11) 1(-39.038,-44.108) 1(-39.038,-44.108) 1(-39.038,-44.108) 1(-39.038,-44.108) 1(-39.038,-44.108) 1(-39.038,-44.108) 1(-39.036,-44.104) 1(-39.036,-44.104) 1(-39.036,-44.104) 1(-39.036,-44.104) 1(-39.036,-44.104) 1(-39.036,-44.104) 1(-39.036,-44.101) 1(-39.036,-44.101) 1(-39.036,-44.101) 1(-39.036,-44.101) 1(-39.036,-44.101) 1(-39.036,-44.101) 1(-39.036,-44.122) 1(-39.036,-44.122) 1(-39.036,-44.122) 1(-39.036,-44.122) 1(-39.036,-44.122) 1(-39.036,-44.122) 1(-39.036,-44.121) 1(-39.036,-44.121) 1(-39.036,-44.121) 1(-39.036,-44.121) 1(-39.036,-44.121) 1(-39.036,-44.121) 1(-39.034,-44.104) 1(-39.034,-44.104) 1(-39.034,-44.104) 1(-39.034,-44.104) 1(-39.034,-44.104) 1(-39.034,-44.104) 1(-39.034,-44.101) 1(-39.034,-44.101) 1(-39.034,-44.101) 1(-39.034,-44.101) 1(-39.034,-44.101) 1(-39.034,-44.101) 1(-38.995,-44.105) 1(-38.995,-44.105) 1(-38.995,-44.105) 1(-38.995,-44.105) 1(-38.995,-44.105) 1(-38.995,-44.105) 1(-38.995,-44.102) 1(-38.995,-44.102) 1(-38.995,-44.102) 1(-38.995,-44.102) 1(-38.995,-44.102) 1(-38.995,-44.102) 1(-38.994,-44.105) 1(-38.994,-44.105) 1(-38.994,-44.105) 1(-38.994,-44.105) 1(-38.994,-44.105) 1(-38.994,-44.105) 1(-38.994,-44.102) 1(-38.994,-44.102) 1(-38.994,-44.102) 1(-38.994,-44.102) 1(-38.994,-44.102) 1(-38.994,-44.102) 1(-38.993,-44.105) 1(-38.993,-44.105) 1(-38.993,-44.105) 1(-38.993,-44.105) 1(-38.993,-44.105) 1(-38.993,-44.105) 1(-38.993,-44.102) 1(-38.993,-44.102) 1(-38.993,-44.102) 1(-38.993,-44.102) 1(-38.993,-44.102) 1(-38.993,-44.102) 1(-38.992,-44.105) 1(-38.992,-44.105) 1(-38.992,-44.105) 1(-38.992,-44.105) 1(-38.992,-44.105) 1(-38.992,-44.105) 1(-38.992,-44.102) 1(-38.992,-44.102) 1(-38.992,-44.102) 1(-38.992,-44.102) 1(-38.992,-44.102) 1(-38.992,-44.102) 1(-38.979,-44.104) 1(-38.979,-44.104) 1(-38.979,-44.104) 1(-38.979,-44.104) 1(-38.979,-44.104) 1(-38.979,-44.104) 1(-38.979,-44.102) 1(-38.979,-44.102) 1(-38.979,-44.102) 1(-38.979,-44.102) 1(-38.979,-44.102) 1(-38.979,-44.102) 1(-38.978,-44.105) 1(-38.978,-44.105) 1(-38.978,-44.105) 1(-38.978,-44.105) 1(-38.978,-44.105) 1(-38.978,-44.105) 1(-38.978,-44.104) 1(-38.978,-44.104) 1(-38.978,-44.104) 1(-38.978,-44.104) 1(-38.978,-44.104) 1(-38.978,-44.104) 1(-38.976,-44.104) 1(-38.976,-44.104) 1(-38.976,-44.104) 1(-38.976,-44.104) 1(-38.976,-44.104) 1(-38.976,-44.104) 1(-38.976,-44.102) 1(-38.976,-44.102) 1(-38.976,-44.102) 1(-38.976,-44.102) 1(-38.976,-44.102) 1(-38.976,-44.102) 1(-38.976,-44.105) 1(-38.976,-44.105) 1(-38.976,-44.105) 1(-38.976,-44.105) 1(-38.976,-44.105) 1(-38.976,-44.105) 1(-38.976,-44.104) 1(-38.976,-44.104) 1(-38.976,-44.104) 1(-38.976,-44.104) 1(-38.976,-44.104) 1(-38.976,-44.104)
  round 0.001 on Mech14: 1(-39.046,-44.109) 1(-39.046,-44.109) 1(-39.046,-44.109) 1(-39.046,-44.105) 1(-39.046,-44.105) 1(-39.046,-44.105) 1(-39.027,-44.107) 1(-39.027,-44.107) 1(-39.027,-44.107) 1(-39.026,-44.107) 1(-39.026,-44.107) 1(-39.026,-44.107) 1(-38.986,-44.097) 1(-38.986,-44.097) 1(-38.986,-44.097) 1(-38.982,-44.097) 1(-38.982,-44.097) 1(-38.982,-44.097)
  round 0.001 on Mech15: 1(-39.046,-44.109) 1(-39.046,-44.109) 1(-39.046,-44.109) 1(-39.046,-44.105) 1(-39.046,-44.105) 1(-39.046,-44.105) 1(-39.041,-44.104) 1(-39.041,-44.104) 1(-39.041,-44.104) 1(-39.041,-44.102) 1(-39.041,-44.102) 1(-39.041,-44.102) 1(-39.041,-44.098) 1(-39.041,-44.098) 1(-39.041,-44.098) 1(-39.041,-44.097) 1(-39.041,-44.097) 1(-39.041,-44.097) 1(-39.04,-44.104) 1(-39.04,-44.104) 1(-39.04,-44.104) 1(-39.04,-44.102) 1(-39.04,-44.102) 1(-39.04,-44.102) 1(-39.04,-44.098) 1(-39.04,-44.098) 1(-39.04,-44.098) 1(-39.04,-44.097) 1(-39.04,-44.097) 1(-39.04,-44.097) 1(-39.038,-44.104) 1(-39.038,-44.104) 1(-39.038,-44.104) 1(-39.038,-44.102) 1(-39.038,-44.102) 1(-39.038,-44.102) 1(-39.038,-44.098) 1(-39.038,-44.098) 1(-39.038,-44.098) 1(-39.038,-44.097) 1(-39.038,-44.097) 1(-39.038,-44.097) 1(-39.037,-44.104) 1(-39.037,-44.104) 1(-39.037,-44.104) 1(-39.037,-44.102) 1(-39.037,-44.102) 1(-39.037,-44.102) 1(-39.037,-44.098) 1(-39.037,-44.098) 1(-39.037,-44.098) 1(-39.037,-44.097) 1(-39.037,-44.097) 1(-39.037,-44.097) 1(-39.027,-44.107) 1(-39.027,-44.107) 1(-39.027,-44.107) 1(-39.026,-44.107) 1(-39.026,-44.107) 1(-39.026,-44.107) 1(-38.99,-44.125) 1(-38.99,-44.125) 1(-38.99,-44.125) 1(-38.99,-44.125) 1(-38.99,-44.125) 1(-38.99,-44.125) 1(-38.989,-44.125) 1(-38.989,-44.125) 1(-38.989,-44.125) 1(-38.989,-44.125) 1(-38.989,-44.125) 1(-38.989,-44.125) 1(-38.989,-44.123) 1(-38.989,-44.123) 1(-38.989,-44.123) 1(-38.989,-44.122) 1(-38.989,-44.122) 1(-38.989,-44.122) 1(-38.988,-44.125) 1(-38.988,-44.125) 1(-38.988,-44.125) 1(-38.988,-44.125) 1(-38.988,-44.125) 1(-38.988,-44.125) 1(-38.988,-44.123) 1(-38.988,-44.123) 1(-38.988,-44.123) 1(-38.988,-44.122) 1(-38.988,-44.122) 1(-38.988,-44.122) 1(-38.986,-44.097) 1(-38.986,-44.097) 1(-38.986,-44.097) 1(-38.982,-44.097) 1(-38.982,-44.097) 1(-38.982,-44.097)
  round 0.002 on Mech3: 1(-39.045,-44.133) 1(-39.045,-44.133) 1(-39.045,-44.133) 1(-39.045,-44.132) 1(-39.045,-44.132) 1(-39.045,-44.132) 1(-39.045,-44.126) 1(-39.045,-44.126) 1(-39.045,-44.126) 1(-39.045,-44.125) 1(-39.045,-44.125) 1(-39.045,-44.125)
  round 0.002 on Mech2: 1(-39.045,-44.133) 1(-39.045,-44.133) 1(-39.045,-44.133) 1(-39.045,-44.132) 1(-39.045,-44.132) 1(-39.045,-44.132) 1(-39.045,-44.126) 1(-39.045,-44.126) 1(-39.045,-44.126) 1(-39.045,-44.125) 1(-39.045,-44.125) 1(-39.045,-44.125)
  round 0.002 on Mech10: 1(-39.045,-44.133) 1(-39.045,-44.133) 1(-39.045,-44.133) 1(-39.045,-44.132) 1(-39.045,-44.132) 1(-39.045,-44.132) 1(-39.045,-44.126) 1(-39.045,-44.126) 1(-39.045,-44.126) 1(-39.045,-44.125) 1(-39.045,-44.125) 1(-39.045,-44.125)
  round 0.001 on Mech13: 1(-39.041,-44.104) 1(-39.041,-44.104) 1(-39.041,-44.104) 1(-39.041,-44.102) 1(-39.041,-44.102) 1(-39.041,-44.102) 1(-39.041,-44.098) 1(-39.041,-44.098) 1(-39.041,-44.098) 1(-39.041,-44.097) 1(-39.041,-44.097) 1(-39.041,-44.097) 1(-39.04,-44.104) 1(-39.04,-44.104) 1(-39.04,-44.104) 1(-39.04,-44.102) 1(-39.04,-44.102) 1(-39.04,-44.102) 1(-39.04,-44.098) 1(-39.04,-44.098) 1(-39.04,-44.098) 1(-39.04,-44.097) 1(-39.04,-44.097) 1(-39.04,-44.097) 1(-39.038,-44.104) 1(-39.038,-44.104) 1(-39.038,-44.104) 1(-39.038,-44.102) 1(-39.038,-44.102) 1(-39.038,-44.102) 1(-39.038,-44.098) 1(-39.038,-44.098) 1(-39.038,-44.098) 1(-39.038,-44.097) 1(-39.038,-44.097) 1(-39.038,-44.097) 1(-39.037,-44.104) 1(-39.037,-44.104) 1(-39.037,-44.104) 1(-39.037,-44.102) 1(-39.037,-44.102) 1(-39.037,-44.102) 1(-39.037,-44.098) 1(-39.037,-44.098) 1(-39.037,-44.098) 1(-39.037,-44.097) 1(-39.037,-44.097) 1(-39.037,-44.097) 1(-38.99,-44.125) 1(-38.99,-44.125) 1(-38.99,-44.125) 1(-38.99,-44.125) 1(-38.99,-44.125) 1(-38.99,-44.125) 1(-38.989,-44.125) 1(-38.989,-44.125) 1(-38.989,-44.125) 1(-38.989,-44.125) 1(-38.989,-44.125) 1(-38.989,-44.125) 1(-38.989,-44.123) 1(-38.989,-44.123) 1(-38.989,-44.123) 1(-38.989,-44.122) 1(-38.989,-44.122) 1(-38.989,-44.122) 1(-38.988,-44.125) 1(-38.988,-44.125) 1(-38.988,-44.125) 1(-38.988,-44.125) 1(-38.988,-44.125) 1(-38.988,-44.125) 1(-38.988,-44.123) 1(-38.988,-44.123) 1(-38.988,-44.123) 1(-38.988,-44.122) 1(-38.988,-44.122) 1(-38.988,-44.122)
  round 0 on Mech11: 1(-39.039,-44.143) 1(-39.039,-44.143) 1(-39.039,-44.143) 1(-39.039,-44.143) 1(-39.039,-44.143) 1(-39.039,-44.143) 1(-39.039,-44.108) 1(-39.039,-44.108) 1(-39.039,-44.108) 1(-39.039,-44.108) 1(-39.039,-44.108) 1(-39.039,-44.108) 1(-39.036,-44.106) 1(-39.036,-44.106) 1(-39.036,-44.106) 1(-39.036,-44.106) 1(-39.036,-44.106) 1(-39.036,-44.106) 1(-38.982,-44.143) 1(-38.982,-44.143) 1(-38.982,-44.143) 1(-38.982,-44.143) 1(-38.982,-44.143) 1(-38.982,-44.143) 1(-38.982,-44.106) 1(-38.982,-44.106) 1(-38.982,-44.106) 1(-38.982,-44.106) 1(-38.982,-44.106) 1(-38.982,-44.106)
  round 0 on Mech9: 1(-39.021,-44.127) 1(-39.021,-44.127) 1(-39.021,-44.127) 1(-39.021,-44.127) 1(-39.021,-44.127) 1(-39.021,-44.127) 1(-39.021,-44.114) 1(-39.021,-44.114) 1(-39.021,-44.114) 1(-39.021,-44.114) 1(-39.021,-44.114) 1(-39.021,-44.114) 1(-39.006,-44.127) 1(-39.006,-44.127) 1(-39.006,-44.127) 1(-39.006,-44.127) 1(-39.006,-44.127) 1(-39.006,-44.127) 1(-39.006,-44.114) 1(-39.006,-44.114) 1(-39.006,-44.114) 1(-39.006,-44.114) 1(-39.006,-44.114) 1(-39.006,-44.114)
  round 0 on Mech6: 1(-39.021,-44.127) 1(-39.021,-44.127) 1(-39.021,-44.127) 1(-39.021,-44.127) 1(-39.021,-44.127) 1(-39.021,-44.127) 1(-39.021,-44.114) 1(-39.021,-44.114) 1(-39.021,-44.114) 1(-39.021,-44.114) 1(-39.021,-44.114) 1(-39.021,-44.114) 1(-39.006,-44.127) 1(-39.006,-44.127) 1(-39.006,-44.127) 1(-39.006,-44.127) 1(-39.006,-44.127) 1(-39.006,-44.127) 1(-39.006,-44.114) 1(-39.006,-44.114) 1(-39.006,-44.114) 1(-39.006,-44.114) 1(-39.006,-44.114) 1(-39.006,-44.114)

## Via types
v1: diameter 0.61, hole 0.305, Top Layer to Bottom Layer, tented both sides, 646 vias
v2: diameter 0.406, hole 0.203, Top Layer to Bottom Layer, tented both sides, 103 vias

## Nets (pads, with @x,y where several pads share a name; then routed paths per layer and width w, separated by ;. In a path a pad name is that pad's centre, name@x,y a point inside that pad or via, vN(x,y) a via of type N, cw(c..) or ccw(c..) an arc to the next point about the centre after c; other vN are vias at no path point)
ACIN5V: C2.1 C3.1 J1.1 J1.2 J1.3 J1.4 Q1.2 R6.1 | length 74
  Top Layer w0.254: J1.4@10.112,30.98 13.473,30.98 ; J1.3@10.112,31.48 13.354,31.48 ; J1.2@10.112,31.98 13.354,31.98 ; J1.1@10.112,32.48 13.354,32.48
  Top Layer w0.508: 13.354,31.099 13.354,31.48 13.354,31.98 13.354,32.48 13.354,35.655 15.418,37.719 47.676,37.719 49.627,35.768 C2.1@49.627,22.351 C3.1@49.627,20.954 49.627,19.811 R6.1@50.008,19.43 49.449,18.872 Q1.2@49.449,17.779
B2: J1.10 J2.23 | length 25.2
  Top Layer w0.254: J1.10@10.112,27.98 v2@22.664,27.98 ; v2(31.914,27.965) J2.23@31.914,31.373
  Bottom Layer w0.254: v2(22.664,27.965) v2(31.914,27.965)
B3: J1.11 J2.24 | length 26.2
  Top Layer w0.254: J1.11@10.112,27.48 22.096,27.48 v2(22.099,27.483) ; v2(32.414,27.454) J2.24@32.414,31.373
  Bottom Layer w0.254: v2(22.099,27.483) v2@32.414,27.483
B4: J1.12 J2.25 | length 27.2
  Top Layer w0.254: J1.12@10.112,26.98 v2(22.664,26.98) ; v2(32.914,26.961) J2.25@32.914,31.373
  Bottom Layer w0.254: v2(22.664,26.98) 22.683,26.961 v2(32.914,26.961)
B5: J1.13 J2.26 | length 28.1
  Top Layer w0.254: J1.13@10.112,26.48 v2@22.009,26.48 ; v2(33.414,26.478) J2.26@33.414,31.373
  Bottom Layer w0.254: v2(22.099,26.48) 22.101,26.478 v2(33.414,26.478)
B6: J1.14 J2.27 | length 29.2
  Top Layer w0.254: J1.14@10.112,25.98 v2(22.664,25.98) ; v2(33.914,25.98) J2.27@33.914,31.373
  Bottom Layer w0.254: v2(22.664,25.98) v2(33.914,25.98)
B7: J1.15 J2.28 | length 30
  Top Layer w0.254: J1.15@10.112,25.48 v2@21.942,25.48 ; v2(34.414,25.476) J2.28@34.414,31.373
  Bottom Layer w0.254: v2(22.099,25.476) v2(34.414,25.476)
DE: J1.31 J2.34 | length 37.9
  Top Layer w0.254: J1.31@10.112,17.48 28.783,17.48 30.988,19.685 33.96,19.685 37.414,23.139 J2.34@37.414,31.373
G2: J1.16 J2.15 | length 24.2
  Top Layer w0.254: J1.16@10.112,24.98 v2(22.664,24.98) v2@22.67,24.98 ; v2(27.915,24.968) J2.15@27.914,31.373
  Bottom Layer w0.254: v2(22.664,24.98) v2@27.915,24.98
G3: J1.17 J2.16 | length 25.2
  Top Layer w0.254: J1.17@10.112,24.48 v2(22.099,24.48) ; v2(28.414,24.48) J2.16@28.414,31.373
  Bottom Layer w0.254: v2(22.099,24.48) v2(28.414,24.48)
G4: J1.18 J2.17 | length 26.1
  Top Layer w0.254: J1.18@10.112,23.98 v2@22.608,23.98 ; v2@28.914,23.98 J2.17@28.914,31.373
  Bottom Layer w0.254: v2(22.664,23.98) v2(28.905,23.98)
G5: J1.19 J2.18 | length 27.1
  Top Layer w0.254: J1.19@10.112,23.48 v2@22.007,23.48 ; v2(29.414,23.48) J2.18@29.414,31.373
  Bottom Layer w0.254: v2(22.099,23.48) v2(29.414,23.48)
G6: J1.20 J2.19 | length 28.2
  Top Layer w0.254: J1.20@10.112,22.98 v2(22.664,22.98) ; v2(29.897,23.012) 29.897,31.356 J2.19@29.914,31.373
  Bottom Layer w0.254: v2(22.664,22.98) v2@29.897,22.98
G7: J1.21 J2.20 | length 29.2
  Top Layer w0.254: J1.21@10.112,22.48 v2(22.099,22.48) ; v2(30.414,22.504) J2.20@30.414,31.373
  Bottom Layer w0.254: v2(22.099,22.48) v2@30.414,22.48